# Allegro board C000PD020-3399PRO-DMEB-A-A01.brd (continued)
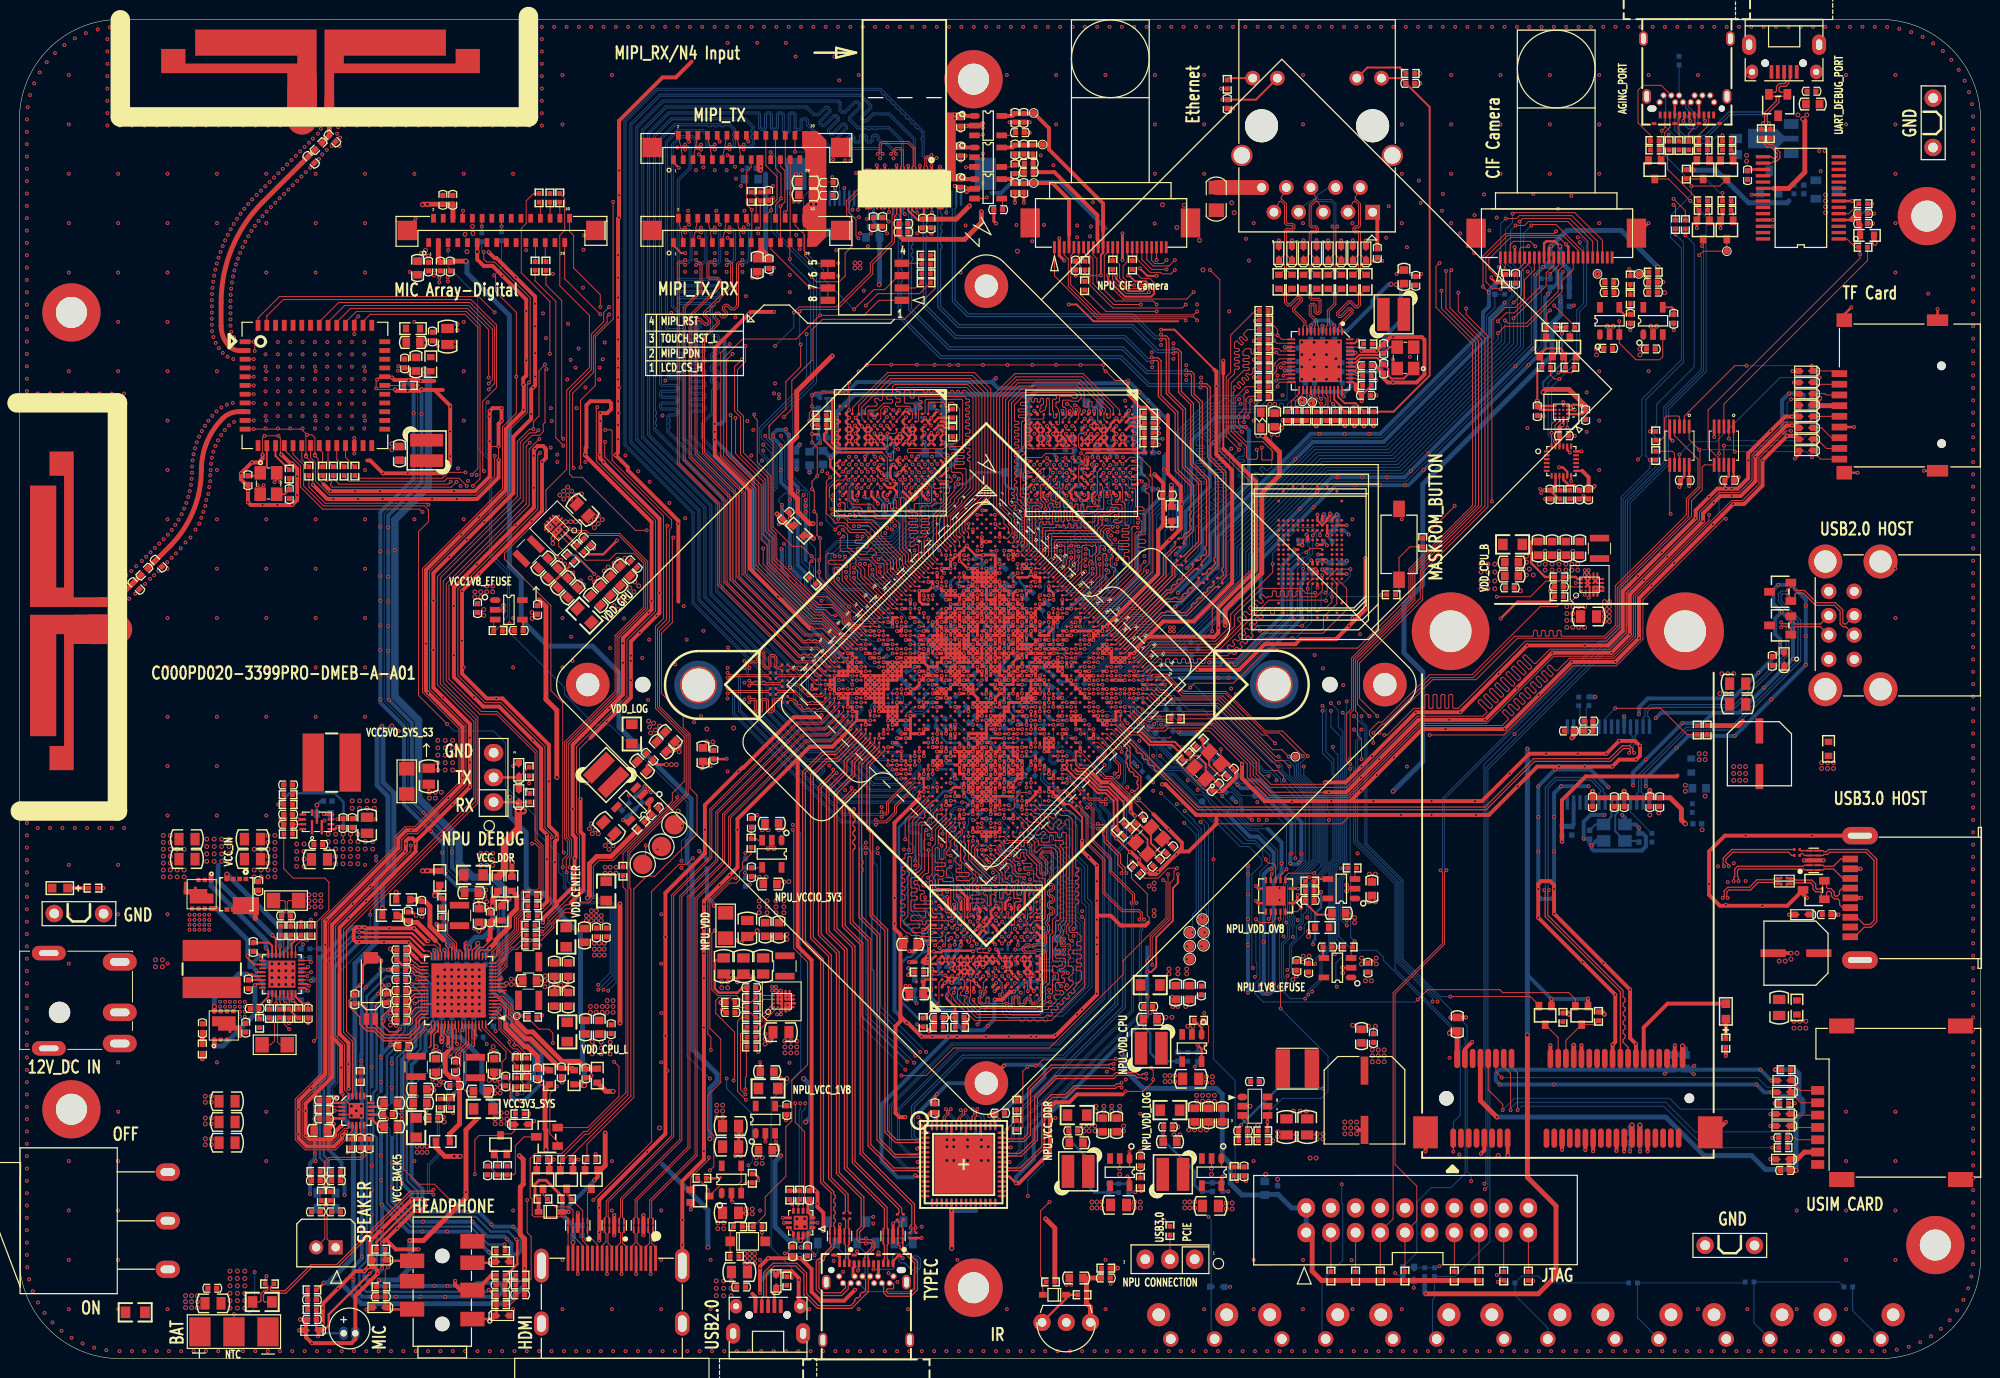
[diagram p0: board, top side]
## Routing (per net, layer and track width the routed paths; a pad name or vN(x,y) marks a point on that pad's centre or on a via; arc(x,y) is an arc through that point) (continued)
NPU_OSC_BPASS: length 2.2
  TOP w0.203: U1000.Y31 v1(104.55,65.22)
  BOTTOM w0.089: 104.55,64.35 R1123.2
  BOTTOM w0.203: 104.55,64.35 v1(104.55,65.22) 105.41,65.22 R1108.2
NPU_OTG_M: length 4.2
  TOP w0.305: U1000.AC37 v1(105.93,60.16)
  BOTTOM w0.127: v1(105.93,60.16) 105.48,60.16 105.38,60.07 105.38,59.65 105.89,59.14 106.34,59.14 107.05,58.43 107.38,58.43 R1407.1
NPU_OTG_P: length 4.2
  TOP w0.305: U1000.AC36 v1(105.47,60.62)
  BOTTOM w0.127: v1(105.47,60.62) 105.47,60.54 105.11,60.18 105.11,59.53 105.78,58.86 106.22,58.86 R1406.1
NPU_PCIE_CLKN: length 2.3
  TOP w0.089: U1000.AB40 107.76,59.7 108.26,59.21 108.35,59.11
  TOP w0.102: C9932.1 109.2,58.12 109.2,58.26 108.35,59.11
NPU_PCIE_CLKP: length 3.1
  TOP w0.089: U1000.AB39 107.77,60.16 108.13,59.8 108.13,59.61 108.42,59.31 108.43,59.31 108.48,59.27 108.49,59.27 108.5,59.26
  TOP w0.102: C9931.1 109.28,58.47 108.5,59.26
NPU_PCIE_RX0N: length 2.4
  TOP w0.089: 107.52,58.48 107.5,58.48 107.49,58.48 107.02,58.48 106.85,58.65 U1000.AD40
  TOP w0.102: C1423.1 108.49,57.66 107.67,58.48 107.52,58.48
NPU_PCIE_RX0P: length 3.3
  TOP w0.089: U1000.AD39 106.39,58.84 106.94,58.28 107.5,58.28 107.5,58.28 107.52,58.28
  TOP w0.102: 107.52,58.28 107.59,58.28 107.75,58.12 107.75,58.03 107.75,57.95 107.91,57.78 107.99,57.78 108.08,57.79 108.36,57.51 108.36,57.27 C1422.1
NPU_PCIE_RX1N: length 2
  TOP w0.203: U1000.Y37 v1(107.77,62)
  BOTTOM w0.102: v1(107.77,62) 107.77,62.31 107.85,62.39 107.99,62.39 108.44,61.94 C9930.1
NPU_PCIE_RX1P: length 2.3
  TOP w0.203: U1000.Y36 v1(107.31,62.46)
  BOTTOM w0.102: C9929.1 108.65,62.03 108.08,62.59 107.77,62.59 107.63,62.46 v1(107.31,62.46)
NPU_PCIE_TX0N: length 1.9
  TOP w0.203: U1000.AC40 v1(107.77,59.24)
  BOTTOM w0.089: v1(107.77,59.24) 107.77,59.54 107.92,59.7 108.37,59.7 108.44,59.63 C1421.1
NPU_PCIE_TX0P: length 2.2
  TOP w0.203: U1000.AC39 v1(107.31,59.7)
  BOTTOM w0.089: C1420.1 108.54,59.79 108.45,59.89 107.85,59.89 107.66,59.7 v1(107.31,59.7)
NPU_PCIE_TX1N: length 4.4
  TOP w0.203: U1000.AA37 v1(107.31,61.54)
  BOTTOM w0.102: C9927.1 106.92,63.11 105.94,62.14 105.94,61.46 106.23,61.17 106.6,61.17 106.97,61.54 v1(107.31,61.54)
NPU_PCIE_TX1P: length 3.7
  TOP w0.203: U1000.AA36 v1(106.85,62)
  BOTTOM w0.102: v1(106.85,62) 106.87,61.97 106.87,61.73 106.52,61.38 106.31,61.38 106.15,61.54 106.15,62.05 107.05,62.96 C9928.1
NPU_PMIC_SLEEP_H: length 40.4
  TOP w0.102: U1000.U32 v1(106.85,65.68)
  S1 w0.089: 111.63,62.39 111.02,63 110.52,63 110.02,63.5 110.02,64.33 108.85,65.49 108.23,65.49 108.03,65.29 107.69,65.29 107.44,65.54 106.98,65.54 v1(106.85,65.68)
  S1 w0.102: v1(128.55,59.96) 128.55,59.8 125.55,56.81 123.32,56.81 122.5,57.62 116.41,57.62 111.63,62.39
  BOTTOM w0.102: v1(128.55,59.96) 128.55,60.01 127.94,60.01 122.66,65.29 119.51,65.29 R1124.1
NPU_PWREN_1: length 163.3
  TOP w0.102: v1(135.97,50.46) 135.99,50.48 R2216.1 ; U1000.L37 v1(111.9,66.14) ; R2227.1 75.29,51.95 74.4,51.06 74.4,50.35 74.09,50.05 74.09,49.24 73.79,48.93 73.06,48.93 71.04,46.92 71.04,34 72.16,32.88 72.16,28.41 70.84,27.09 70.84,23.53 71.45,22.92 71.45,19.77 v1(71.04,19.37) ; v1(115.44,17.23) 115.34,17.33 R2218.1 ; R2230.1 124.99,18.55 v1(125.3,18.25)
  S1 w0.102: v1(71.04,19.37) 71.25,19.16 86.39,19.16 88.01,17.54 115.04,17.54 115.34,17.23 v1(115.44,17.23) 123.47,17.23 124.49,18.25 v1(125.3,18.25) ; v1(135.97,50.46) 134.09,50.46 132.16,52.39 128.55,52.39 127.53,51.37 v1(122.86,51.37)
  BOTTOM w0.102: v1(125.3,18.25) 125.1,18.45 125.1,28.61 122.86,30.85 v1(122.86,51.37) 122.86,55.13 118.39,59.6 117.66,59.6 115.67,61.59 115.67,62.01 113.82,63.87 113.82,64.17 112.73,65.26 112.73,65.8 112.39,66.14 v1(111.9,66.14)
NPU_PWREN_4: length 143.1
  TOP w0.102: R2208.1 122.35,34.24 122.35,32.57 v1(122.05,32.27) ; v1(74.75,26.63) 73.89,27.49 73.89,34.71 74.3,35.11 R2233.1 ; U1000.J32 v1(110.52,69.35)
  S1 w0.089: v1(110.52,69.35) 110.52,69.81 111.31,70.6 111.58,70.6 111.77,70.41 112.04,70.41 112.23,70.6 112.5,70.6 112.69,70.41 112.96,70.41 113.15,70.6 114.33,70.6 114.52,70.41 114.8,70.41 115.06,70.67 117.27,70.67
  S1 w0.102: v1(74.75,26.63) 76.12,25.26 85.06,25.26 89.54,20.79 104.98,20.79 108.94,24.75 108.94,27.61 114,32.68 121.64,32.68 v1(122.05,32.27) 122.45,32.68 128.65,32.68 134.24,38.26 v1(135.56,38.26) ; v1(134.95,66.66) 134.95,66.91 134.34,67.52 133.58,67.52 132.87,66.81 121.42,66.81 117.56,70.67 117.27,70.67
  BOTTOM w0.102: v1(134.95,66.66) 134.95,64.98 135.97,63.96 135.97,51.06 135.56,50.66 135.56,43.14 136.17,42.53 136.17,41.41 135.46,40.7 135.46,38.36 v1(135.56,38.26)
NPU_PWREN_EN1: length 1.2
  TOP w0.102: U2204.3 137.43,50.33 R2216.2
NPU_PWREN_EN2: length 3.1
  TOP w0.102: C2280.1 R2230.2 123.77,19.71 123.67,19.82 U2203.1
NPU_PWREN_EN3: length 44
  TOP w0.102: v1(77.85,22.31) 77.76,22.4 U2207.3 ; v1(114.22,21.3) U2205.1 114.22,19.87 114.43,19.67 115.18,19.67 C2281.1 R2218.2
  S1 w0.102: v1(77.85,22.31) 78.16,22.31 80.49,19.98 87.1,19.98 88.62,18.45 101.52,18.45 103.56,20.48 109.55,20.48 110.36,21.3 v1(114.22,21.3)
NPU_PWREN_EN4: length 1.8
  TOP w0.254: R2208.2 121.64,34.05 U2202.1
NPU_PWREN_EN5: length 2.4
  TOP w0.102: C2282.1 75.29,54.65 R2227.2 75.83,53.5 75.98,53.34 U2208.3
NPU_PWREN_EN6: length 4.8
  TOP w0.102: C2279.2 75.21,35.62 75.72,35.11 R2233.2 76.19,35.11 U2206.A2
NPU_RESET_L: length 14.9
  TOP w0.305: U1000.P30 v1(107.31,67.97)
  S1 w0.089: 115.59,66.35 115.53,66.41 115.49,66.41 113.86,68.03 113.22,68.03 112.96,68.3 112.68,68.3 112.5,68.11 112.23,68.11 112.04,68.3 111.77,68.3 111.31,67.84 110.39,67.84 110.28,67.73 110.27,67.73 110.2,67.65 109.32,67.65 109,67.97 v1(107.31,67.97)
  S1 w0.102: v1(117.48,65.24) 117.27,65.44 117.27,65.7 116.66,66.3 115.63,66.3 115.59,66.35
  BOTTOM w0.102: v1(117.48,65.24) 117.51,65.2 R1110.2 R1105.1
  BOTTOM w0.203: C1112.1 106.92,68.36 v1(107.31,67.97)
NPU_SPI0_CLK: length 87.3
  TOP w0.102: v1(128.55,45.25) 128.55,45.27 128.76,45.48 U1300.11
  TOP w0.203: U1000.AN21 v1(93.98,63.84)
  S1 w0.089: v1(93.98,63.84) U1000.AN21 93.6,63 93.6,61.78 90.81,58.99 90.81,58.94
  S1 w0.102: 90.81,58.94 90.5,58.63 90.5,54.52 88.87,52.89 88.01,52.89 87.14,52.03 v1(87.09,52.03) ; v1(92.08,30.44) 92.48,30.03 97.46,30.03 98.17,30.74 108.81,30.74 115.72,37.65 125.81,37.65 126.21,38.06 128.35,38.06 v1(128.45,38.16)
  BOTTOM w0.102: v1(128.55,45.25) 128.55,38.26 v1(128.45,38.16) ; v1(92.08,30.44) 87.1,35.42 87.1,51.88 87,51.98 87,52.03 v1(87.09,52.03)
NPU_SPI0_CS: length 82.3
  TOP w0.102: U1300.12 129.26,45.27 128.85,44.87 127.58,44.87 v1(127.23,45.22)
  TOP w0.305: U1000.AN23 v1(94.41,62.46)
  S1 w0.089: 91.1,58.64 91.16,58.7 91.16,58.77 91.18,58.78 91.18,58.85 94.44,62.11 94.44,62.43 v1(94.41,62.46)
  S1 w0.102: v1(93.29,31.56) 97.66,31.56 97.76,31.66 108.28,31.66 115.29,38.67 125.3,38.67 125.7,39.08 126.92,39.08 v1(127.13,39.28) ; v1(88.32,52.03) 88.62,52.03 91.01,54.42 91.01,58.55 91.1,58.64
  BOTTOM w0.102: v1(93.29,31.56) 88.62,36.23 88.62,51.67 88.32,51.98 v1(88.32,52.03) ; v1(127.23,45.22) 127.23,40.8 127.33,40.7 127.33,39.48 v1(127.13,39.28)
NPU_SPI0_RX: length 87.1
  TOP w0.102: v1(131.9,46.39) 131.5,45.98 U1300.14
  TOP w0.305: U1000.AN22 93.98,62.92 v1(93.98,62.92)
  S1 w0.089: v1(93.98,62.92) 93.98,61.91 91.01,58.94 91.01,58.85 90.96,58.8 90.96,58.79
  S1 w0.102: v1(88.32,52.53) 88.81,52.53 90.81,54.52 90.81,58.63 90.96,58.79 ; v1(92.68,31.56) 93.19,31.05 97.46,31.05 97.87,31.46 108.37,31.46 115.38,38.47 125.4,38.47 125.81,38.87 127.43,38.87 127.74,39.18 129.67,39.18 v1(130.48,39.99)
  BOTTOM w0.102: v1(92.68,31.56) 88.27,35.98 88.27,50.71 87.91,51.06 87.91,52.12 v1(88.32,52.53) ; v1(130.48,39.99) 130.68,40.19 130.68,42.53 131.39,43.24 131.39,44.46 131.9,44.97 v1(131.9,46.39)
NPU_SPI0_TX: length 94.2
  TOP w0.102: U1300.13 129.76,45.37 129.67,45.27 v1(129.67,45.25)
  TOP w0.203: U1000.AP20 v1(93.52,63.38)
  S1 w0.089: 90.63,59.12 90.68,59.12 93.4,61.83 93.4,63.26 v1(93.52,63.38)
  S1 w0.102: v1(87.1,53.1) 87.1,53.25 88.16,53.25 88.93,53.25 90.2,54.52 90.2,54.52 90.25,54.57 90.25,58.74 90.63,59.12 ; v1(129.57,38.26) 129.46,38.16 129.46,37.76 128.55,36.84 116.05,36.84 108.84,29.63 104.27,29.63 100.51,25.87 99.7,25.87 98.98,25.16 95.12,25.16 94.67,25.61 94.67,26.22 v1(91.16,29.73)
  BOTTOM w0.102: v1(87.1,53.1) 86.44,52.44 86.44,34.45 v1(91.16,29.73) ; v1(129.67,45.25) 129.67,38.36 v1(129.57,38.26)
NPU_TSADC_SHUT_H: length 84
  TOP w0.102: D2100.1 55.38,22.33 54.58,23.12 54.58,27.29 v1(55.3,28) ; v1(73.69,49.44) 73.28,49.44 70.84,47 70.84,33.39 71.15,33.08 v1(71.15,31.76)
  TOP w0.203: U1000.AA31 v1(103.63,64.3)
  S1 w0.089: 93.7,56.04 94.97,57.31 95.48,57.31 95.71,57.08 95.98,57.08 96.6,57.7 96.6,57.96 96.8,58.17 96.8,58.85 101.41,63.46 102.39,63.46 103.22,64.3 v1(103.63,64.3)
  S1 w0.102: 93.7,56.04 92.94,55.28 92.94,51.06 92.95,51.05 92.95,50.42 92.94,50.42 92.94,50.4 92.48,49.95 92.31,49.95 76.34,49.95 76.34,49.95 76.03,49.95 76.03,49.95 75.82,49.95 75.26,49.39 73.74,49.39 v1(73.69,49.44) ; v1(55.3,28) 55.5,27.8 56.52,27.8 58.31,29.59 59.63,29.59 62.1,32.07 70.84,32.07 v1(71.15,31.76)
NPU_UART2_RX: length 57.6
  TOP w0.102: v1(52.15,58.58) 52.15,58.53 R1308.1
  TOP w0.305: U1000.AK22 v1(95.82,63.84)
  S1 w0.089: v1(95.82,63.84) 95.75,63.77 95.75,62.39 95.43,62.07 95.43,61.92 95.49,61.86 95.49,61.86 95.68,61.67 95.68,61.65 95.73,61.6 95.73,61.19 93.69,59.14 93.12,59.14 91.87,57.89 91.87,57.87
  S1 w0.102: v1(52.15,58.58) 57.53,58.58 63.73,52.39 64.75,52.39 65.15,52.79 70.92,52.79 72.45,51.27 75.49,51.27 88.87,51.27 90.69,53.08 91.45,53.08 91.62,53.25 91.62,57.62 91.87,57.87
NPU_UART2_TX: length 57.9
  TOP w0.102: R1307.1 v1(52.45,59.19)
  TOP w0.305: U1000.AJ22 v1(96.27,65.22)
  S1 w0.089: v1(96.27,65.22) 95.56,65.22 94.82,64.48 94.82,63.36 94.76,63.3 94.76,63.27 94.57,63.08 94.54,63.08 94.51,63.05 94.51,62.85 94.57,62.79 94.76,62.6 94.76,62.6 94.82,62.55 94.82,61.43 94.57,61.19 94.57,61.18 94.33,60.94 94.3,60.94 94.11,60.76 94.1,60.76 93.84,60.5 93.84,60.49 93.65,60.3 93.64,60.3 93.38,60.04 93.38,60.03 93.19,59.84 93.18,59.84 92.92,59.58 92.92,59.57 92.73,59.38 92.72,59.38 91.56,58.22 91.56,58.18
  S1 w0.102: 91.56,58.18 91.21,57.83 91.21,54.33 88.55,51.67 77.05,51.67 77.05,51.67 75.32,51.67 75.32,51.67 72.62,51.67 71.09,53.2 63.42,53.2 57.73,58.89 52.76,58.89 v1(52.45,59.19)
NPU_VCC1V8_EFUSE: length 1.1
  TOP w0.305: U1000.AK34 v1(101.33,58.32)
  BOTTOM w0.254: R1000.1 101.36,58.35 v1(101.33,58.32) 101.21,58.2 C1080.1
  vias: v2(116.76,46.09) v2(116.76,45.58) v2(131.04,39) v2(131.39,39.38)
NPU_VCC_1V8_S3: length 150.2
  TOP w0.102: C3112.1 93.03,38.76 ; C3111.1 93.03,40.79
  TOP w0.203: v1(102.25,61.08) U1000.AF33 ; v1(96.73,62.92) U1000.AK24
  TOP w0.254: v1(76.02,31.56) 75.76,31.82 R1131.2 ; U3100.A5 93.21,40.61 93.03,40.79 93.13,40.89 93.7,40.89 94.22,41.41 U3100.A6 ; U3100.A3 93.29,39.01 93.03,38.76 ; U3100.A4 94.17,39.81 v1(93.9,40.08) ; U1300.1 131.15,46.86 131.5,47.2 131.5,47.66 v1(131.55,47.71) ; 105.08,40.59 105.05,40.61 U3100.U5 ; v1(92.99,44.14) 93.19,44.15 93.66,44.62 U3100.A10 ; v1(105.08,39.78) 105.04,39.81 U3100.U4 ; v1(105.08,39.07) 105.03,39.01 U3100.U3 ; v1(127.23,47.1) 127.47,46.86 U1300.9 ; U3100.U6 104.99,41.41 105.05,41.48 v1(105.08,41.48)
  TOP w0.305: U1000.AF29 v1(100.87,62.46) U1000.AG29 v1(100.41,62) ; U3100.U10 105.01,44.3 v1(105.38,44.3) ; v1(102.25,61.08) U1000.AF32 v1(101.79,61.54) U1000.AF31 ; U1000.AG27 v1(99.95,63.38) ; U1000.AH31 v1(100.87,60.62) ; U1000.AF33 v1(102.71,60.62) ; U1000.AP27 v1(96.27,59.7)
  TOP w0.406: 93.03,37.59 93.39,37.95 v1(93.8,37.95) ; 93.03,37.59 93.03,38.76 ; 93.03,37.59 C3108.1 93.28,37.24 v1(93.7,37.24) ; v1(105.08,39.07) v1(105.08,39.78) v1(105.08,41.48) ; v1(100.36,36.93) 101.12,36.93 101.93,37.74 v1(102.34,37.74) ; 93.03,40.79 93.03,41 93.44,41.4 v1(93.5,41.4) 93.6,41.5 v1(93.6,42.42)
  TOP w0.508: R1130.2 v1(72.16,36.64)
  POWER2 w0.508: v1(133.12,42.63) 133.12,41.92 133.88,41.16 133.88,39.94 130.89,36.94 125.1,36.94 124.18,37.86 114.94,37.86 102.64,25.56 99.49,25.56 98.78,24.85 95.02,24.85 94.31,25.56 91.06,25.56 89.84,24.34 v2(80.9,24.34)
  S1 w0.254: v1(133.93,48.02) 133.63,47.71 v1(131.55,47.71) 127.84,47.71 v1(127.23,47.1)
  BOTTOM w0.203: 100.52,62.81 v1(99.95,63.38) 99.88,63.38 C9926.1 ; 100.52,62.81 101.07,63.36 102.54,63.36 102.88,63.7 R1123.1 ; 100.52,62.81 v1(100.87,62.46) ; R9822.2 R9823.2
  BOTTOM w0.254: R9825.1 96.04,59.94 v1(96.27,59.7) ; R9830.2 103.55,60.12 103.04,60.62 v1(102.71,60.62) 102.7,60.63 102.7,60.9 102.53,61.08 v1(102.25,61.08) 102.14,61.19 C1120.1 101.89,61.64 v1(101.79,61.54) ; v1(100.87,60.62) 101,60.75 C1116.1 ; C1118.1 101.15,62.46 v1(100.87,62.46) 100.66,62.46 C1115.1 100.5,62.09 v1(100.41,62) ; v1(96.73,62.92) 96.96,63.14 C1072.1 96.94,63.16 96.75,63.36 95.43,63.36 94.92,63.87 94.92,64.43 R9822.2 ; v1(105.08,39.78) 105.23,39.93 C3110.1 ; v1(133.12,42.63) 133.12,42.94 133.32,43.14 133.32,45.78 133.93,46.39 v1(133.93,48.02) ; 104.82,38.8 104.78,38.76 C3109.1 ; 104.82,38.8 104.27,38.8 ; 104.82,38.8 v1(105.08,39.07)
  BOTTOM w0.305: v1(96.27,59.7) 96.36,59.62 96.51,59.62
  BOTTOM w0.406: v1(100.36,36.93) 100.36,36.58 100.3,36.53 100.3,34.9 v1(99.65,34.24) 99.19,33.78 97.16,33.78 96.44,34.49 96.44,35.41 96.04,35.81 95.12,35.81 v1(93.7,37.24) 93.8,37.34 v1(93.8,37.95) 93.8,39.98 v1(93.9,40.08) 93.7,40.28 93.7,41.2 v1(93.5,41.4) ; v1(105.38,44.3) 105.41,44.27 105.41,43.51 105.59,43.33 105.59,41.99 v1(105.08,41.48) ; v1(102.34,37.74) 103.4,38.8 104.27,38.8 ; v1(92.99,44.14) 92.99,43.18 93.6,42.57 v1(93.6,42.42)
  BOTTOM w0.508: v2(80.9,24.34) 81.41,24.85 81.41,28.1 v2(80.7,28.81)
  vias: v2(78.36,28.81) v2(78.97,28.81)
NPU_VCC_DDR_P: length 9.5
  BOTTOM w0.254: R2219.1 C2229.1 110.61,17.09 109.65,18.04 109.65,20.89 108.13,22.41 v1(108.13,23.02)
NPU_VCC_DDR_S3: length 65.8
  TOP w0.102: U3100.J5 99.49,40.69 ; U3100.J6 99.49,41.4 ; U3100.P5 102.74,40.61 ; U3100.G12 98.21,46.22
  TOP w0.254: U3100.A9 v1(93.9,43.81) ; 99.11,44.2 99.11,44.08 U3100.H9 98.84,43.68 98.6,43.44 v1(98.6,43.42) 98.6,43.39 98.84,43.15 U3100.H8 ; 99.11,44.2 v1(99.11,44.23) ; 99.11,44.2 U3100.J9 ; U3100.H11 98.84,45.32 98.6,45.08 v1(98.6,45.03) ; U3100.D6 96.24,41.3 v1(95.94,41) 95.94,40.89 96.22,40.61 U3100.D5 96.24,40.49 v1(95.91,40.15) U3100.D4 ; 99.8,41.1 99.8,41 99.49,40.69 ; 99.8,41.1 100.11,41.41 U3100.K6 100.14,41.36 100.41,41.1 100.43,41.1 v1(100.46,41.07) 100.51,41.02 100.51,41 ; 99.8,41.1 99.49,41.4 U3100.J6 99.4,41.41 99.09,41.1 ; 99.8,41.1 100.14,40.75 100.14,40.63 ; 100.51,41 100.79,40.71 U3100.L5 ; 100.51,41 100.14,40.63 ; v1(100.36,37.8) 100.61,38.05 100.63,38.05 U3100.L2 ; U3100.N8 102.09,42.99 v1(101.79,42.68) ; U3100.P4 102.74,39.67 v1(103.05,39.37) ; 98.84,40.6 98.84,40.59 v1(99.15,40.28) U3100.J5 99.49,40.69 ; 98.84,40.6 U3100.H5 98.84,40.73 ; 98.84,40.6 98.55,40.31 v1(98.5,40.31) 98.45,40.31 98.19,40.56 U3100.G5 98.45,40.87 v1(98.45,41.02) ; 99.09,41.1 v1(99.11,41.07) ; 99.09,41.1 98.84,41.34 U3100.H6 98.79,41.41 98.48,41.1 98.48,41.05 v1(98.45,41.02) ; v1(99.11,41.07) 99.49,40.69 ; v1(99.11,41.07) 99.1,41.07 98.84,40.82 98.84,40.73 ; 98.84,40.73 98.74,40.73 v1(98.45,41.02) ; C3119.1 92.76,43.01 U3100.A8 ; U3100.M2 101.44,38.32 v1(101.7,38.58) ; U3100.R12 103.45,46.28 103.45,48 v1(103.84,48.38) ; U3100.K12 100,46.07 100,45.56 U3100.K11 ; U3100.G2 98.19,37.77 v1(98.22,37.74) ; U3100.F2 97.54,37.74 v1(97.49,37.69) ; 102.74,40.61 102.74,40.79 102.49,41.05 v1(102.44,41.05) 102.44,41.1 102.74,41.4 U3100.P6 ; U3100.H3 v1(99.17,39.34) ; U3100.C12 95.54,46.27 95.54,47.44 v1(95.48,47.51) ; v1(101.88,46.66) 102.09,46.46 U3100.N12 ; v1(93.7,45.67) 93.96,45.41 U3100.A11 ; 100.14,40.63 U3100.K5 ; U3100.U11 v1(105.08,45.41) ; v1(100.87,56.94) U1000.AN35
  TOP w0.305: v1(96.8,47.14) 96.89,47.05 U3100.E12 ; U3100.K8 100.14,42.89 v1(100.41,42.62) ; U3100.U9 104.72,43.81 105.08,43.45 v1(105.08,43.03) 105.07,43.01 U3100.U8 ; v1(99.11,44.23) U3100.J10 99.8,44.92 99.8,45.07 U3100.K11 ; U1000.AR32 v1(98.11,56.94) ; 98.21,46.22 v1(98.48,46.48) 98.58,46.48 U3100.H12 98.84,45.96 v1(98.65,45.77) 98.65,45.6 U3100.H11 ; U1000.AP35 v1(99.95,56.02) ; U1000.AP29 v1(97.19,58.78) ; U1000.AR34 v1(99.49,56.48) ; v1(96.89,42.58) 96.89,42.66 96.89,42.66 U3100.E8 ; U1000.AR30 v1(97.19,57.86) ; U3100.L12 100.79,46.32 v1(100.53,46.58) 100.51,46.58 100.14,46.22 U3100.K12 ; U1000.AR33 v1(98.57,56.48) ; U1000.AM35 v1(100.87,56.94) ; U1000.AN35 v1(100.41,56.48)
  TOP w0.406: v1(91.57,41.91) 91.96,41.91 92.37,42.32 C3119.1 92.79,42.62 92.94,42.47 v1(92.96,42.47)
  TOP w0.508: C3113.1 R3102.1 94.15,34.07 93.98,34.07 v1(93.62,33.72)
  BOTTOM w0.102: C3102.1 95.47,40.28
  BOTTOM w0.254: C1235.1 97.88,57.3 C1229.1 97.31,57.86 v1(97.19,57.86) 97.19,58.22 C1228.1 ; C1235.1 97.47,56.88 C1234.1 ; C1235.1 97.88,57.18 v1(98.11,56.94) 98.2,56.94 98.57,56.57 v1(98.57,56.48) ; v1(101.79,42.68) 101.7,42.59 C3107.1 ; C3103.1 100.08,40.7 v1(100.46,41.07) ; C3104.1 106.48,39.12 v1(106.48,39.34) ; C3105.1 102.51,40.98 v1(102.44,41.05) ; v1(105.08,43.03) 104.38,42.33 C3121.1 ; v1(103.84,48.38) 103.91,48.31 C3124.1 ; v1(98.5,40.31) 98.5,40.06 C3125.1 ; v1(100.53,46.58) 100.44,46.67 C3106.1 ; v1(93.7,45.67) 93.7,45.7 C3123.1 ; v1(96.8,47.14) 96.6,47.35 C3120.1 ; C3122.1 95.16,47.51 v1(95.48,47.51) ; v1(98.48,46.48) 98.45,46.51 98.45,46.8 98.58,46.92 C3126.1
  BOTTOM w0.305: v1(98.48,46.48) 98.48,46.2 98.65,46.02 v1(98.65,45.77) 98.65,45.08 v1(98.6,45.03) 98.6,44.88 99.11,44.38 v1(99.11,44.23) 99.11,44.07 98.6,43.56 v1(98.6,43.42) ; C1233.1 96.94,59.03 v1(97.19,58.78) 97.04,58.63 C1228.1 ; C3102.1 95.64,40.62 95.81,40.62 95.94,40.75 v1(95.94,41) 95.94,41.2 96.45,41.71 C3101.1
  BOTTOM w0.406: v1(107.47,42.77) 107.25,42.77 106.83,43.2 ; 106.83,43.2 C3100.1 ; 106.83,43.2 v1(107.49,43.2) ; v1(95.91,40.15) 95.77,40.28 95.47,40.28 ; C3114.1 R3103.1 91.77,39.88 v1(91.47,40.18) ; v1(96.89,42.58) 96.81,42.51 96.81,42.34 C3101.1
  vias: v2(110.77,25.97) v2(110.77,25.46) v2(111.58,25.97) v2(111.58,25.46) v2(112.4,25.97) v2(112.4,25.46) v2(113.21,25.97) v2(113.21,25.46)
NPU_VCCIO_3V3_S3: length 3.1
  TOP w0.305: U1000.AJ25 v1(97.65,62.92) ; U1000.AK33 v1(100.87,58.78)
  BOTTOM w0.203: v1(103.17,62) 103.23,61.94 104.17,61.94 104.56,62.33 R1410.2
  BOTTOM w0.254: C1304.1 97.88,63.14 v1(97.65,62.92) ; v1(100.87,58.78) 100.87,58.94 C1419.1
  vias: v2(78.66,49.03) v2(79.17,49.08)
NPU_VDD_0V8: length 2
  TOP w0.305: U1000.AJ33 v1(101.33,59.24)
  BOTTOM w0.254: v1(101.33,59.24) 101.43,59.34 C9943.1 101.51,59.43 101.87,59.43 102.14,59.71 R9829.1
NPU_VDD_0V8_P: length 4.3
  TOP w0.203: 134.91,45.68 133.53,45.68 132.33,46.88 C2227.1 132.33,47.15 R2217.1
NPU_VDD_0V8_S3: length 6.9
  TOP w0.305: v1(100.87,61.54) U1000.AG30 v1(101.33,62) U1000.AF30 ; U1000.AG32 v1(101.79,60.62) ; v1(101.79,60.62) U1000.AG33 v1(102.25,60.16) U1000.AH33 v1(101.79,60.62) ; U1000.AJ31 v1(100.41,60.16)
  GND2 w0.406: v1(94.89,62.93) 95.1,62.93 95.12,62.95
  BOTTOM w0.254: v1(101.79,60.62) 101.85,60.68 101.85,60.83 ; v1(102.25,60.16) 102.87,60.16 R9829.2 ; v1(94.89,62.93) 94.89,62.88 94.92,62.85 94.92,62.34 94.62,62.04 R9824.1 ; v1(101.33,62) 101.35,62.02 C1117.1 ; 100.57,60.28 100.45,60.16 v1(100.41,60.16)
  vias: v2(116.26,48.63) v2(116.76,48.93) v2(116.76,48.32) v2(132.64,43.95) v2(132.64,43.44)
NPU_VDD_1V8: length 1
  TOP w0.305: U1000.AL33 v1(100.41,58.32)
  BOTTOM w0.254: C1418.1 100.41,58.23 v1(100.41,58.32) ; R9830.1 v1(102.9,59.14)
NPU_VDD_CPU_P: length 7.1
  BOTTOM w0.254: v1(115.75,34.1) 116.36,33.49 116.36,31.46 117.21,30.6 C2213.1 R2209.1
NPU_VDD_CPU_S0: length 2.3
  TOP w0.305: v1(99.95,60.62) U1000.AJ30 v1(100.41,61.08) U1000.AH30
  BOTTOM w0.254: C1070.1 100.41,61.17 v1(100.41,61.08) 100.13,60.8 C1071.1 99.95,60.71 v1(99.95,60.62)
  vias: v2(118.29,40.09) v2(118.29,39.58) v2(119.2,40.09) v2(119.2,39.58) v2(120.12,40.09) v2(120.12,39.58)
NPU_VDD_FB: length 57.7
  TOP w0.102: v1(71.55,44.05) 71.25,43.75 71.25,37.96 71.86,37.35 73.79,37.35 74.5,36.64 75.25,36.64 R2225.1 C2278.1 76.56,37.36 U2206.A4
  TOP w0.305: U1000.AM28 v1(97.65,60.16)
  POWER1 w0.089: v1(97.65,60.16) 97.65,59.72 97.52,59.59 97.52,59.57 97.33,59.38 97.24,59.38 96.65,58.79 96.65,56.86 96.41,56.62 96.41,55.26 96.65,55.03 96.65,54.32
  POWER1 w0.152: 96.65,54.32 96.65,53.6 91.36,48.32 91.36,47.61 89.33,45.58 89.33,42.33 87.1,40.09 74.4,40.09 71.55,42.94 v1(71.55,44.05)
NPU_VDD_LOG_P: length 8.8
  BOTTOM w0.254: C2219.1 R2211.1 121.58,17.19 120.93,17.84 120.93,19.26 117.68,22.52 v1(117.68,23.23)
NPU_VDD_LOG_S3: length 3.2
  TOP w0.305: U1000.AK31 v1(99.95,59.7) U1000.AL31 v1(99.49,59.24) U1000.AM31 99.03,58.78 v1(99.03,58.78) U1000.AN31 v1(98.57,58.32)
  vias: v2(121.13,27.09) v2(121.13,26.48) v2(121.74,27.09) v2(121.74,26.48) v2(122.35,27.09) v2(122.35,26.48) v2(122.96,27.09) v2(122.96,26.48)
NPU_VDD_P: length 7.8
  TOP w0.102: 76.02,41.31 76.12,41.21
  TOP w0.254: R2225.2 C2278.2 74.4,38.16 73.89,37.65 71.96,37.65 71.55,38.06 71.55,40.9 71.65,41.01
NPU_VDD_S0: length 9.7
  TOP w0.305: v1(98.57,62) U1000.AK27 v1(98.11,61.54) ; v1(98.57,62) U1000.AJ27 98.57,62.46 v1(99.03,62.46) ; v1(98.57,62) U1000.AJ28 ; v1(98.57,62) U1000.AK28 ; U1000.AL28 v1(98.11,60.62) ; U1000.AL28 v1(97.65,61.08) ; U1000.AL28 v1(98.11,61.54) ; U1000.AL28 v1(98.57,61.08) U1000.AK28 ; v1(97.65,61.08) U1000.AL27 v1(98.11,61.54) ; v1(97.65,61.08) U1000.AM27 v1(97.19,60.62) ; v1(98.11,61.54) U1000.AK28 ; U1000.AK28 98.57,61.54 v1(99.03,61.54) U1000.AJ28 ; v1(99.49,62.92) U1000.AH27 v1(99.03,62.46) ; v1(99.03,62.46) U1000.AJ28
  vias: v2(76.12,47.1) v2(76.12,46.49) v2(76.12,45.88) v2(76.94,47.1) v2(76.94,46.49) v2(76.94,45.88) v2(77.85,47.1) v2(77.85,46.49) v2(77.85,45.88) v2(78.66,47.1) v2(78.66,46.49) v2(78.66,45.88)
NPU_VDD_SLEEP_H: length 130.7
  TOP w0.102: v1(74.7,27.19) 74.19,27.7 74.19,33.43 R2253.1 ; U1000.U33 v1(107.31,65.22)
  S1 w0.089: 111.46,62.22 110.87,62.8 110.46,62.8 109.85,63.42 109.85,64.26 108.82,65.29 108.33,65.29 108.13,65.09 107.44,65.09 v1(107.31,65.22)
  S1 w0.102: v1(132.15,60.92) 131.75,60.51 129.69,60.51 125.78,56.6 123.23,56.6 122.42,57.41 116.26,57.41 111.46,62.22 ; v1(133.32,40.6) 133.22,40.5 133.22,40.3 128.96,36.03 121.44,36.03 118.9,33.49 113.61,33.49 108.13,28 108.13,25.09 106.98,23.94 105.4,23.94 104.18,22.72 99.98,22.72 99.47,23.23 88.42,23.23 84.96,26.68 75.62,26.68 75.11,27.19 v1(74.7,27.19)
  BOTTOM w0.102: v1(133.32,40.6) 133.43,40.7 133.43,41.21 134.75,42.53 134.75,51.01 135.15,51.42 135.15,55.84 134.59,56.4 134.59,57.62 132.15,60.06 v1(132.15,60.92)
NPU_VERFO_DDR: length 31.5
  TOP w0.254: U1000.AR29 96.13,58.78 95.82,58.46 v1(95.82,58.32)
  BOTTOM w0.254: R3110.1 92.4,35.08 90.75,36.73 90.75,40.69 91.38,41.32 91.69,41.32 92.13,41.77 R3105.2 92.28,42.05 92.28,43.64 90.75,45.16 90.75,51.22 90.5,51.47 90.5,54.67 91.57,55.74 92.48,55.74 95.12,58.38 95.76,58.38 v1(95.82,58.32)
NPU_VREFCA_DDR: length 11.3
  TOP w0.254: U3100.H4 98.51,39.49 v1(98.51,39.36) ; R3106.1 C3115.1 ; C3115.1 v1(95.55,35.1) C3113.2 R3102.2 ; C3115.1 96.3,36.16 95.43,37.03 v1(95.43,37.34)
  BOTTOM w0.254: v1(95.55,35.1) 95.53,35.08 95.25,35.08 R3110.2 ; v1(98.51,39.36) 98.05,38.9 97.67,38.9 C3116.1 97.39,38.4 97.09,38.1 95.94,38.1 95.43,37.59 v1(95.43,37.34)
NPU_VREFDQ_DDR: length 11.7
  TOP w0.254: v1(94.11,41.88) 94.18,41.81 94.88,41.81 95.04,41.97 98.03,41.97 v1(98.11,41.89)
  TOP w0.305: v1(99.19,44.96) 99.19,45.06 99.49,45.36 U3100.J11
  BOTTOM w0.254: 99.7,43.98 C3118.1 99.52,43.81 ; 99.7,43.98 99.7,44.45 v1(99.19,44.96) ; 99.7,43.98 99.52,43.81 ; 99.52,43.81 99.03,43.32 99.03,42.48 98.76,42.2 98.44,42.2 98.13,41.89 v1(98.11,41.89) ; R3104.2 92.13,41.01 R3105.1 94.08,41.91 v1(94.11,41.88)
OTG_DM_S1: length 4.2
  TOP w0.127: U2102.48 97.91,24.5 98.02,24.61 98.02,24.9 98.2,25.07 98.2,25.54 v1(98.07,25.66)
  BOTTOM w0.127: U9705.53 98.91,24.5 98.98,24.57 98.98,24.75 98.76,24.97 98.58,24.97 98.17,25.38 98.17,25.56 v1(98.07,25.66)
OTG_DM_S2: length 45.1
  TOP w0.127: v1(110.97,55.03) 111.07,54.93 111.58,54.93 111.89,54.62 111.89,53.3 113.31,51.88 113.31,50.96 113.79,50.48 113.79,50.06 v1(113.9,49.95)
  BOTTOM w0.127: R1407.2 108.22,57.88 108.22,57.57 110.16,55.63 110.16,55.15 110.41,54.9 110.8,54.9 110.93,55.03 v1(110.97,55.03) ; U9705.3 101.68,22.22 101.79,22.34 102.08,22.34 102.37,22.63 102.37,24.68 113.79,36.1 113.79,49.84 v1(113.9,49.95)
OTG_DP_S1: length 4.1
  TOP w0.127: U2102.47 98.41,24.5 98.3,24.6 98.3,24.78 98.48,24.95 98.48,25.57 v1(98.57,25.66)
  BOTTOM w0.127: v1(98.57,25.66) 98.57,25.38 98.7,25.25 98.88,25.25 99.26,24.87 99.26,24.64 99.41,24.5 U9705.54
OTG_DP_S2: length 44.7
  TOP w0.127: v1(110.97,54.52) 111.1,54.65 111.47,54.65 111.61,54.5 111.61,54.25 111.48,54.12 111.48,53.87 111.61,53.74 111.61,53.18 113.03,51.76 113.03,50.85 113.51,50.36 113.51,50.06 v1(113.4,49.95)
  BOTTOM w0.127: U9705.2 101.68,22.73 101.79,22.61 101.97,22.61 102.09,22.74 102.09,24.8 113.51,36.22 113.51,49.84 v1(113.4,49.95) ; R1406.2 107.71,57.38 108.02,57.38 108.3,57.09 108.3,56.89 108.48,56.71 108.69,56.71 108.87,56.53 108.87,56.32 109.05,56.14 109.26,56.14 109.88,55.52 109.88,55.04 110.3,54.62 110.78,54.62 110.88,54.52 v1(110.97,54.52)
OTG_ID: length 3.2
  TOP w0.102: ED2600.1 78.06,7.54 R2614.1
  TOP w0.254: J2601.4 77.69,7.17 ED2600.1
PCIE_DISABLE_3V3_L: length 6
  TOP w0.102: J8300.20 158.33,33.03 Q8301.3 157.29,34.66 R8304.2
PCIE_DISABLE_L: length 71.3
  TOP w0.102: Q8301.2 156.35,36.37 155.47,37.25 v1(147.24,37.25) ; U1000.H37 v1(113.28,67.51)
  S1 w0.102: v1(113.28,67.51) 113.83,67.51 115.85,65.49 115.85,64.98 117.59,63.24 122.54,63.24 124.89,65.59 136.83,65.59 136.94,65.7 137.69,65.7 v1(138.1,66.1)
  BOTTOM w0.102: v1(138.1,66.1) 138.1,65.62 138.66,65.07 138.66,52.95 142.37,49.24 142.37,41.11 146.23,37.25 v1(147.24,37.25)